# Altium PCB FMC_ADC_128CH_10B.PcbDoc (part 13 of 14)
Units mm, origin at the board's own origin, x right, y up, seen from the top; angles counter-clockwise.
Board outline 76.5 x 69 mm, 8 copper layers (Top Layer, Int1 (Sign), Int2 (GND), Int3 (Sign), Int4 (Sign), Int5 (GND), Int6 (Sign), Bottom Layer), stack 1.433 mm thick; 815 components, 661 nets, 3772 pads, 2072 vias.
Unrouted connection lines stored in the file: 135.
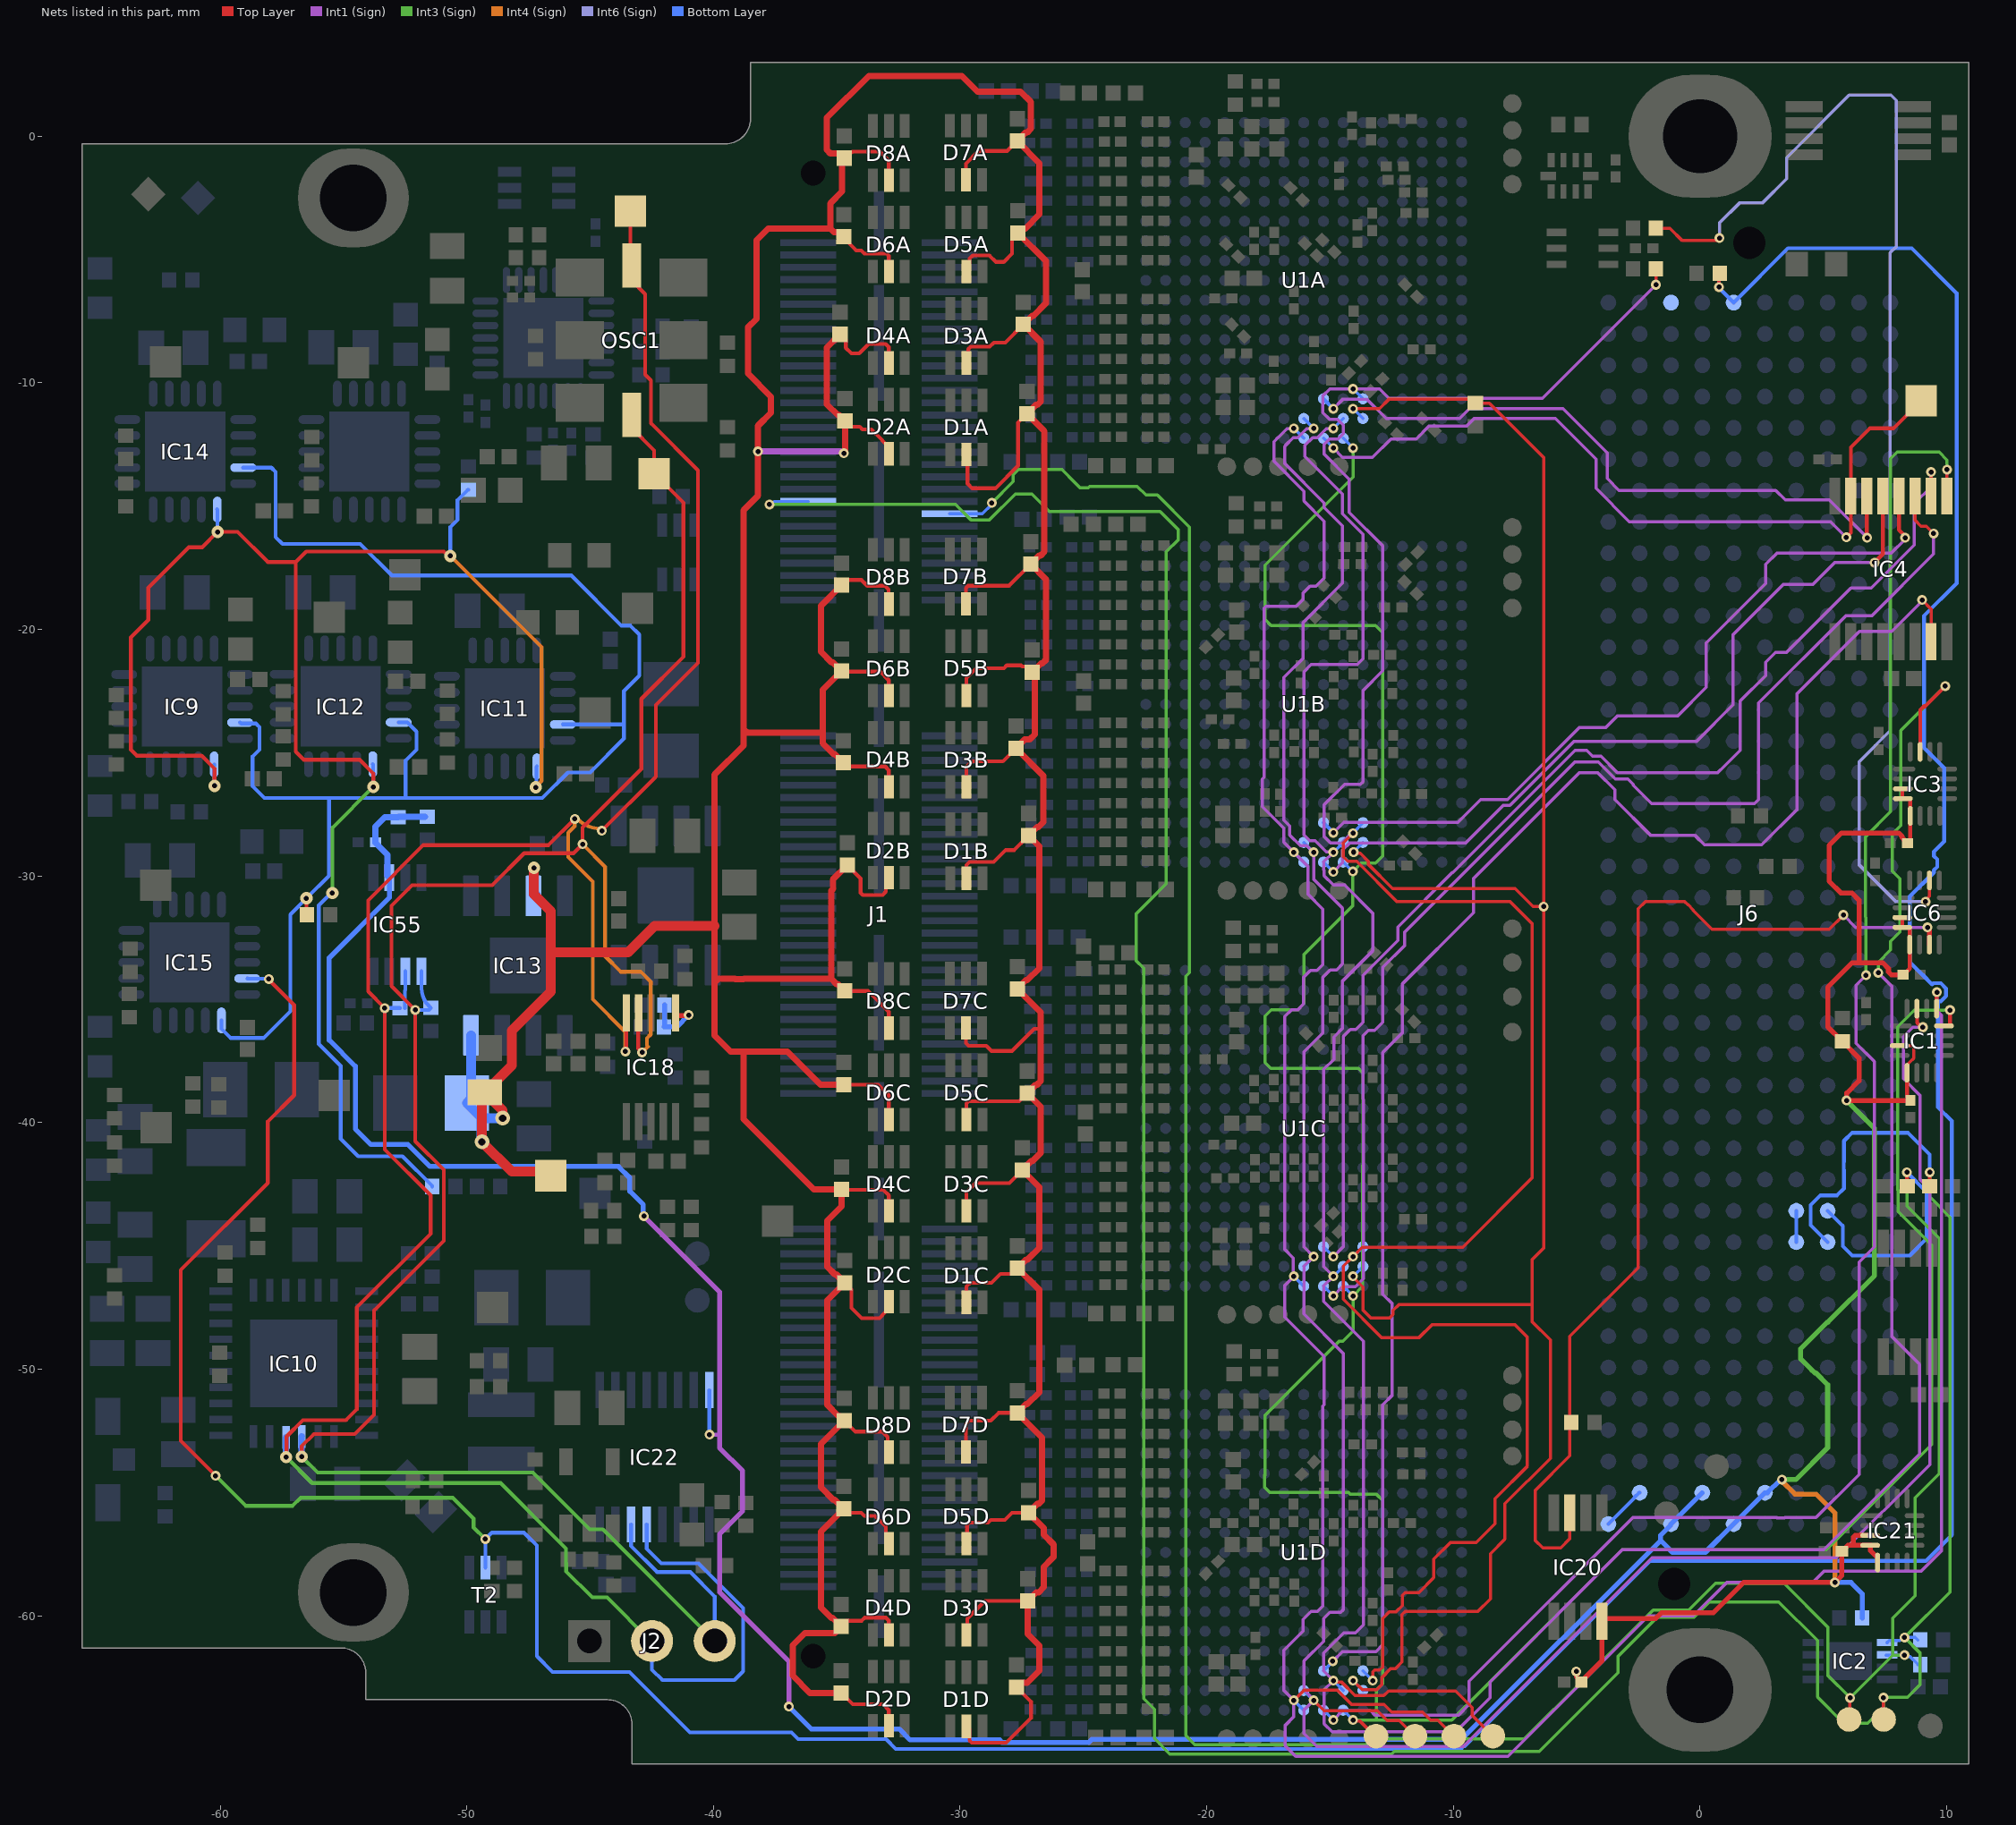
[diagram p19: the nets of this part, all layers, seen from the top]

## Via types
v1: diameter 0.4, hole 0.2, Top Layer to Bottom Layer, tented both sides, 1806 vias
v2: diameter 0.5, hole 0.2, Top Layer to Bottom Layer, tented both sides, 181 vias
v3: diameter 0.6, hole 0.3, Top Layer to Bottom Layer, tented both sides, 81 vias
v4: diameter 0.5, hole 0.3, Top Layer to Bottom Layer, tented both sides, 3 vias
v5: diameter 0.6, hole 0.2, Top Layer to Bottom Layer, tented both sides, 1 vias

## Nets (pads, with @x,y where several pads share a name; then routed paths per layer and width w, separated by ;. In a path a pad name is that pad's centre, name@x,y a point inside that pad or via, vN(x,y) a via of type N, cw(c..) or ccw(c..) an arc to the next point about the centre after c; other vN are vias at no path point) (continued)
PDN_GBL: R5.2 U1A.M16 U1B.M16 U1C.M16 U1D.M16 | length 85.1
  Top Layer w0.127: v1(-14.067,-62.625) -13.694,-62.999 -13.112,-62.999 -12.894,-62.78 -12.894,-62.493 -12.533,-62.133 -12.345,-62.133 -12.085,-61.873 -12.085,-59.949 -11.962,-59.826 -9.016,-59.826 -8.5,-59.311 -8.5,-57.48 -7.909,-56.889 -7.909,-55.451 -6.068,-53.61 -6.068,-48.815 -6.816,-48.067 -6.816,-47.384 ; v1(-14.067,-46.227) -14.067,-46.27 -13.663,-46.674 -13.663,-47.605 -13.339,-47.929 -12.592,-47.929 -12.445,-47.782 -12.445,-47.61 -12.22,-47.384 -6.816,-47.384 ; v1(-14.067,-11.045) -12.995,-11.045 -12.622,-10.672 R5.2@-8.974,-10.672 ; v1(-14.045,-29.028) -13.993,-29.08 -13.771,-29.08 -13.454,-29.398 -13.454,-29.519 -12.465,-30.508 -7.501,-30.508 -6.771,-31.238 v1(-6.345,-31.238) ; R5.2@-9.112,-10.823 -8.542,-10.823 -6.345,-13.02 v1(-6.345,-31.238) ; -6.816,-47.384 -6.816,-45.561 -6.345,-45.09 v1(-6.345,-31.238)
  Bottom Layer w0.127: v1(-14.067,-62.625) U1D.M16@-13.667,-63.025 ; v1(-14.067,-46.227) -14.066,-46.227 -13.669,-45.83 U1C.M16@-13.667,-45.83 ; v1(-14.067,-11.045) U1A.M16@-13.667,-11.445 ; v1(-14.045,-29.028) -14.045,-29.02 -13.667,-28.642 U1B.M16@-13.667,-28.634
PG_M2C: IC15.9 J6.f1 R138.2 T2.5 | length 172.4
  Top Layer w0.152: v1(-60.188,-54.315) -61.6,-52.903 -61.6,-45.976 -58.065,-42.441 -58.065,-39.953 -57,-38.888 -57,-35.237 -58.028,-34.209 v1(-58.028,-34.178) ; v1(0.769,-6.111) 0.769,-5.666 R138.2@0.833,-5.601
  Int3 (Sign) w0.152: v1(-60.188,-54.315) -58.968,-55.535 -57.062,-55.535 -56.739,-55.212 -50.571,-55.212 -49.723,-56.06 -49.723,-56.413 v1(-49.247,-56.889)
  Bottom Layer w0.152: IC15.9@-58.898,-34.153 -58.886,-34.166 -58.041,-34.166 v1(-58.028,-34.178) ; T2.5@-49.247,-58.042 v1(-49.247,-56.889) -48.983,-56.625 -47.679,-56.625 -47.161,-57.143 -47.161,-61.631 -46.52,-62.272 -43.401,-62.272 -40.952,-64.721 -36.842,-64.721 -36.563,-65 -33.001,-65 -32.607,-65.394 -9.694,-65.394 -9.586,-65.286 -9.54,-65.286 -2.022,-57.769 9.157,-57.769 10.205,-56.721 10.205,-39.931 9.641,-39.368 9.641,-35.078 9.757,-35.078 9.972,-34.863 9.972,-34.56 9.757,-34.345 9.454,-34.345 9.408,-34.391 9.007,-33.991 9.001,-33.991 8.503,-33.493 8.503,-30.831 9.482,-29.852 9.482,-29.761 9.616,-29.626 9.616,-29.323 9.482,-29.188 9.482,-29.015 9.9,-28.597 9.9,-25.614 9.079,-24.794 9.079,-19.451 10.408,-18.122 10.408,-6.367 8.583,-4.543 3.565,-4.543 J6.f1@1.363,-6.744 1.363,-6.743 0.769,-6.148 v1(0.769,-6.111)
PGOOD: IC9.9 IC11.9 IC12.9 IC14.9 IC15.11 R115.1 | length 64.5
  Top Layer w0.152: v2(-56.5,-30.902) -56.5,-31.538 R115.1@-56.476,-31.562
  Bottom Layer w0.152: IC15.11@-59.948,-35.853 -59.948,-36.192 -59.571,-36.569 -58.243,-36.569 -57.156,-35.482 -57.156,-31.558 v2(-56.5,-30.902) -55.58,-29.982 -55.58,-26.836 ; IC9.9@-59.191,-23.775 -59.153,-23.813 -58.552,-23.813 -58.475,-23.889 -58.408,-23.956 -58.408,-24.87 -58.683,-25.145 -58.683,-26.356 -58.203,-26.836 -55.58,-26.836 ; IC14.9@-59.064,-13.437 -57.925,-13.437 -57.748,-13.614 -57.748,-16.253 -57.471,-16.529 -54.319,-16.529 -53.039,-17.81 -45.759,-17.81 -43.725,-19.844 -43.364,-19.844 -43.004,-20.205 -43.004,-21.245 ; IC12.9@-52.761,-23.766 -52.411,-23.766 -52.039,-24.138 -52.039,-24.873 -52.478,-25.312 -52.478,-26.836 ; IC11.9@-46.11,-23.851 -43.645,-23.851 -43.63,-23.835 ; -43.004,-21.245 -43.004,-21.871 -43.63,-22.497 -43.63,-23.835 ; -55.58,-26.836 -52.478,-26.836 ; -52.478,-26.836 -46.936,-26.836 -45.896,-25.796 -45.001,-25.796 -43.63,-24.425 -43.63,-23.835
PGOOD_P1V2D: IC9.11 IC11.11 IC12.11 IC14.11 R100.1 R101.2 | length 74.6
  Top Layer w0.152: v2(-60.23,-26.34) -60.23,-25.638 -60.751,-25.117 -63.381,-25.117 -63.62,-24.878 -63.62,-20.32 -62.912,-19.612 -62.912,-18.307 -61.274,-16.668 -60.729,-16.668 v2(-60.103,-16.042) -59.291,-16.042 -58.066,-17.267 -56.934,-17.267 ; v2(-53.79,-26.382) -53.79,-25.833 -54.338,-25.285 -56.607,-25.285 -56.934,-24.957 -56.934,-17.267 ; v2(-50.665,-17.016) -50.754,-17.016 -50.928,-16.842 -56.51,-16.842 -56.934,-17.267
  Int3 (Sign) w0.152: v2(-55.45,-30.687) -55.45,-28.042 v2(-53.79,-26.382)
  Int4 (Sign) w0.152: v2(-50.665,-17.016) -46.964,-20.717 -46.964,-26.137 -47.202,-26.375 v2(-47.202,-26.4)
  Bottom Layer w0.152: IC9.11@-60.24,-25.477 -60.235,-25.482 -60.235,-26.334 v2(-60.23,-26.34) ; IC14.11@-60.124,-15.127 IC14.11@-60.114,-15.137 -60.114,-16.032 v2(-60.103,-16.042) ; v2@-55.474,-30.663 -56,-31.189 -56,-36.812 -55.111,-37.702 -55.111,-40.653 -54.402,-41.362 -52.609,-41.362 -51.405,-42.566 R100.1@-51.405,-42.586 ; IC12.11@-53.811,-25.466 -53.8,-25.477 -53.8,-26.372 v2(-53.79,-26.382) ; v2(-50.665,-17.016) -50.665,-15.844 -50.375,-15.554 -50.375,-14.749 -49.957,-14.332 R101.2@-49.937,-14.332 ; v2(-47.202,-26.4) -47.181,-26.379 -47.181,-25.57 IC11.11@-47.163,-25.552
RESET: B24.1 IC1.12 U1A.L17 U1B.L17 U1C.L17 U1D.L17 | length 122.9
  Top Layer w0.127: v1(-14.067,-64.225) -14.037,-64.255 -13.799,-64.255 B24.1@-13.138,-64.916
  Top Layer w0.152: IC1.12@9.891,-36.076 10.114,-36.076 10.136,-36.054 10.136,-35.436 v1(10.134,-35.434)
  Int3 (Sign) w0.127: -15.009,-19.838 -17.391,-19.838 -17.641,-19.589 -17.641,-19.279 -17.636,-19.274 -17.636,-18.794 -17.641,-18.789 -17.641,-17.39 -14.067,-13.816 v1(-14.067,-12.645) ; -15.009,-19.838 -14.699,-19.838 ; -14.699,-19.838 -13.157,-19.838 -12.863,-20.132 -12.863,-29.18 -13.153,-29.47 -13.731,-29.47 v1(-14.073,-29.811) -14.073,-31.2 -16.053,-33.181 -16.053,-35.166 -16.308,-35.421 -17.386,-35.421 -17.641,-35.675 -17.641,-37.562 -17.4,-37.803 -13.84,-37.803 -13.671,-37.972 -13.671,-41.723 -13.676,-41.728 -13.676,-46.635 v1(-14.07,-47.03) -14.07,-48.446 -14.482,-48.858 -14.635,-48.858 -17.641,-51.864 -17.641,-54.271 ; v1(-14.067,-64.225) -13.112,-64.225 ; v1(10.134,-35.434) 8.689,-35.434 8.017,-36.106 8.017,-42.727 8.025,-42.735 8.025,-43.604 9.387,-44.966 9.387,-53.051 5.121,-57.316 -3.156,-57.316 -10.066,-64.225 -13.112,-64.225 ; -17.663,-54.327 -17.663,-54.293 -17.641,-54.271 ; -17.663,-54.327 -17.641,-54.305 -17.641,-54.271 ; -17.663,-54.327 -17.663,-54.78 -17.444,-54.999 -14.244,-54.999 -14.169,-55.074 -13.112,-55.074 -12.871,-55.315 -12.871,-62.758 -13.112,-62.999 -13.112,-64.225
  Bottom Layer w0.127: U1D.L17@-14.467,-63.825 v1(-14.067,-64.225) ; U1C.L17@-14.467,-46.63 U1C.L17@-14.467,-46.63 v1(-14.07,-47.03) v1(-14.07,-47.03) ; U1A.L17@-14.467,-12.245 v1(-14.067,-12.645) ; U1B.L17@-14.459,-29.434 v1@-14.081,-29.811
SCL: B5.1 IC2.6 J1.45 J6.c30 R7.1 R114.2 | length 128.9
  Top Layer w0.127: B5.1@6.043,-64.2 6.064,-64.179 6.064,-63.343 v1(6.085,-63.322)
  Top Layer w0.152: v1(8.391,-42.013) 8.391,-42.569 R114.2@8.402,-42.58
  Int3 (Sign) w0.127: v1(-28.712,-14.864) -27.849,-14.001 -27.849,-13.735 -27.63,-13.516 -25.876,-13.516 -25.348,-14.045 -25.129,-14.263 -24.82,-14.263 -24.751,-14.195 -22.82,-14.195 -22.466,-14.548 -22,-14.548 -20.7,-15.848 -20.7,-33.911 -20.852,-34.064 -20.852,-64.851 -20.479,-65.224 -13.113,-65.224 -12.886,-64.997 -7.129,-64.997 -4.665,-62.534 -4.458,-62.327 -1.899,-59.768 -0.455,-59.768 0.633,-58.68 3.404,-58.68 5.173,-60.449 5.173,-62.409 v1(6.085,-63.322) 7.812,-61.595 ; v1(8.291,-61.595) 7.812,-61.595 ; v1(8.391,-42.013) 8.391,-43.381 9.7,-44.691 9.7,-54.229 8.722,-55.207 8.722,-59.186 7.812,-60.096 7.812,-61.595
  Bottom Layer w0.127: J1.45@-30.428,-15.31 -29.102,-15.31 -28.712,-14.919 v1(-28.712,-14.864) ; IC2.6@7.539,-61.595 v1(8.291,-61.595) 8.343,-61.647 8.513,-61.647 8.821,-61.956 R7.1@8.821,-61.976
  Bottom Layer w0.152: J6.c30@5.173,-43.574 5.785,-44.186 5.785,-45.005 6.166,-45.386 8.503,-45.386 9.189,-44.7 9.189,-42.811 v1(8.391,-42.013)
SCL_2V5: IC10.4 IC18.5 IC22.13 IC55.6 J2.2 OSC1.8 R1.1 TP2.1 | length 113.7
  Top Layer w0.152: v2(-57.326,-53.558) -57.305,-53.537 -57.305,-52.725 -56.643,-52.063 -54.897,-52.063 -54.462,-51.627 -54.462,-47.494 -51.464,-44.496 -51.464,-42.948 -53.326,-41.086 v1(-53.326,-35.353) -54,-34.679 -54,-30.984 -51.761,-28.745 -46.684,-28.745 v1(-45.623,-27.684) ; v1(-44.522,-28.163) -42.333,-25.974 -42.333,-23.059 -40.625,-21.351 -40.625,-13.547 -42.532,-11.64 -42.532,-9.899 -42.766,-9.665 -42.766,-6.402 -43.314,-5.854 OSC1.8@-43.314,-5.241 -43.364,-5.191 TP2.1@-43.364,-3.043 ; v1(-43.574,-37.11) -43.532,-37.069 IC18.5@-43.532,-35.553 IC18.5@-43.532,-34.899
  Int3 (Sign) w0.152: v2(-57.326,-53.558) -56.271,-54.613 -48.63,-54.613 -45.976,-57.268 -45.976,-57.86 -45.973,-57.863 -45.973,-58.193 -44.914,-59.252 -44.313,-59.252 -42.543,-61.022 J2.2@-42.491,-61.022
  Int4 (Sign) w0.152: v1(-44.522,-28.163) -44.553,-28.083 cw(c-44.553,-26.731) -45.542,-27.652 v1(-45.623,-27.684) -45.623,-27.98 -45.884,-28.241 -45.884,-29.233 -44.888,-30.229 -44.888,-35.001 -43.574,-36.315 v1(-43.574,-37.11)
  Bottom Layer w0.152: v1(-53.326,-35.353) -52.718,-35.353 R1.1@-52.708,-35.363 ; R1.1@-52.508,-35.363 -52.508,-34.642 -52.487,-34.621 IC55.6@-52.487,-33.863 ; IC22.13@-42.707,-56.293 -42.707,-57.272 -42.113,-57.867 -40.609,-57.867 -38.792,-59.684 -38.792,-62.251 -39.148,-62.607 -42.067,-62.607 -42.491,-62.183 J2.2@-42.491,-61.022
  Bottom Layer w0.254: v2(-57.326,-53.558) IC10.4@-57.327,-52.76
SCLK: B23.1 IC1.13 U1A.J17 U1B.J17 U1C.J17 U1D.J17 | length 124.1
  Top Layer w0.127: v1(-16.467,-63.425) -16.045,-63.003 -14.718,-63.003 -14.128,-63.592 -12.806,-63.592 -12.504,-63.895 -11.257,-63.895 -10.926,-64.225 -10.629,-64.225 B23.1@-9.979,-64.875
  Top Layer w0.152: IC1.13@9.591,-35.376 9.59,-34.727 v1(9.606,-34.712)
  Int1 (Sign) w0.127: v1@-16.471,-63.422 -16.872,-63.021 -16.872,-61.401 -16.094,-60.623 -16.094,-60.146 -15.769,-59.821 -15.512,-59.821 -15.294,-59.602 -15.294,-51.494 -15.241,-51.441 -15.241,-49.482 -16.841,-47.882 -16.841,-46.603 v1(-16.467,-46.23) -16.49,-46.207 -16.49,-45.487 -16.841,-45.136 -16.841,-35.697 -16.573,-35.43 -16.317,-35.43 -16.071,-35.184 -16.071,-34.106 -15.795,-33.83 -15.539,-33.83 -15.294,-33.584 -15.294,-31.335 -15.904,-30.724 -15.904,-29.597 v1(-16.467,-29.034) -16.872,-28.629 -16.872,-28.063 -17.742,-27.193 -17.742,-26.059 -17.671,-25.989 -17.671,-19.135 -17.597,-19.06 -16.366,-19.06 -16.092,-18.787 -16.092,-18.526 -15.813,-18.246 -15.573,-18.246 -15.241,-17.913 -15.241,-17.657 -15.239,-17.655 -15.239,-17.168 -15.241,-17.166 -15.241,-16.079 -15.239,-16.077 -15.239,-15.608 -16.059,-14.788 -16.059,-14.396 -17.278,-13.177 -17.278,-12.383 -17.1,-12.204 -17.098,-12.204 -16.879,-11.986 -16.879,-11.984 -16.753,-11.858 -16.48,-11.858 v1(-16.467,-11.845) ; v1(-16.467,-63.425) -16.467,-64.087 -16.814,-64.434 -16.814,-65.279 -16.393,-65.7 -7.79,-65.7 -2.093,-60.003 -0.272,-60.003 1.084,-58.648 4.566,-58.648 5.027,-58.187 8.966,-58.187 9.782,-57.37 9.782,-56.65 9.782,-56.357 9.782,-38.877 9.781,-38.876 9.781,-38.583 9.782,-38.582 9.782,-35.645 9.606,-35.469 v1(9.606,-34.712)
  Bottom Layer w0.127: v1(-16.467,-63.425) U1D.J17@-16.067,-63.825 ; v1(-16.467,-46.23) U1C.J17@-16.067,-46.63 ; v1(-16.467,-29.034) U1B.J17@-16.067,-29.434 ; v1(-16.467,-11.845) U1A.J17@-16.067,-12.245
SDA: B14.1 IC2.5 J1.44 J6.c31 R4.1 R113.2 | length 143.1
  Top Layer w0.127: v1(7.436,-63.318) 7.439,-63.322 7.439,-64.197 B14.1@7.443,-64.2
  Top Layer w0.152: R113.2@9.312,-42.58 v1(9.312,-42.014)
  Int3 (Sign) w0.127: v1(-37.731,-14.931) -30.182,-14.931 -29.562,-15.551 -28.809,-15.551 -27.763,-14.505 -27.09,-14.505 -26.375,-15.221 -21.892,-15.221 -21.148,-15.964 -21.148,-16.359 -21.642,-16.853 -21.642,-30.316 -22.87,-31.544 -22.87,-33.426 -22.554,-33.742 -22.554,-63.353 -22.12,-63.787 -22.12,-64.974 -21.494,-65.6 -12.5,-65.6 -12.4,-65.5 -6.523,-65.5 -3.328,-62.305 -3.328,-61.641 -1.739,-60.052 -0.246,-60.052 0.374,-59.432 3.192,-59.432 4.763,-61.003 4.763,-63.292 5.819,-64.348 6.8,-64.348 7.436,-63.712 v1(7.436,-63.318) 7.454,-63.3 8.406,-63.3 8.927,-62.78 8.927,-61.514 v1(8.291,-60.878) 10.136,-59.033 10.136,-43.833 9.312,-43.009 v1(9.312,-42.014)
  Bottom Layer w0.127: v1(-37.731,-14.931) -37.657,-14.931 -37.536,-14.81 J1.44@-36.158,-14.81 ; IC2.5@7.585,-61.08 7.672,-60.994 8.101,-60.994 8.217,-60.878 8.723,-60.878 R4.1@8.821,-60.976
  Bottom Layer w0.152: J6.c31@5.173,-44.844 4.482,-44.153 4.482,-43.344 4.878,-42.947 5.556,-42.947 5.836,-42.668 5.836,-41.915 5.822,-41.902 5.822,-41.598 5.836,-41.585 5.836,-40.738 6.166,-40.407 8.427,-40.407 9.312,-41.293 v1(9.312,-42.014) ; v1(7.436,-63.318) v1@7.439,-63.322
SDA_2V5: IC10.3 IC18.4 IC22.14 IC55.5 J2.3 OSC1.7 R2.1 TP1.1 | length 97.1
  Top Layer w0.152: v2(-56.692,-53.543) -56.692,-53.12 -56.198,-52.626 -54.546,-52.626 -53.762,-51.842 -53.762,-47.614 -50.935,-44.788 -50.935,-41.907 -52.086,-40.756 v1@-52.086,-35.431 ; v1(-52.088,-35.429) -53.055,-34.462 -53.055,-31.201 -52.222,-30.368 -48.965,-30.368 -47.673,-29.076 -45.672,-29.076 v1(-45.306,-28.709) -45.306,-28.028 -45.229,-27.951 -45.224,-27.951 -42.923,-25.65 -42.923,-22.814 -41.215,-21.107 -41.215,-14.862 TP1.1@-42.4,-13.677 -42.4,-12.736 -43.314,-11.823 OSC1.7@-43.314,-11.291 ; IC18.4@-43.032,-35.553 -43.05,-35.571 -43.05,-36.989 v1(-42.889,-37.151)
  Int3 (Sign) w0.152: v2(-56.692,-53.543) -56.045,-54.19 -47.318,-54.19 -45.018,-56.491 -44.481,-56.491 J2.3@-39.951,-61.022
  Int4 (Sign) w0.152: v1(-45.306,-28.709) -45.243,-28.709 v1@-45.229,-28.695 ; v1@-45.275,-28.74 -44.391,-29.624 -44.391,-33.246 -43.759,-33.878 -42.953,-33.878 -42.54,-34.291 -42.54,-36.42 -42.692,-36.573 -42.692,-36.876 -42.653,-36.915 v1(-42.889,-37.151)
  Bottom Layer w0.152: v1(-52.088,-35.429) -51.532,-35.429 R2.1@-51.451,-35.348 -51.541,-35.258 cw(c-50.827,-34.544) -51.837,-34.544 IC55.5@-51.837,-33.863 ; IC22.14@-43.342,-56.293 -43.342,-57.166 -42.285,-58.224 -40.935,-58.224 -39.951,-59.209 J2.3@-39.951,-61.022
  Bottom Layer w0.254: v2(-56.692,-53.543) -56.691,-53.542 -56.691,-52.724 IC10.3@-56.689,-52.723
SDIN: B25.1 IC3.15 U1A.L16 U1B.L16 U1C.L16 U1D.L16 | length 137.1
  Top Layer w0.127: v1(-14.867,-62.625) -14.815,-62.678 -14.543,-62.678 -13.985,-63.236 -12.821,-63.236 -12.637,-63.052 -9.912,-63.052 -9.24,-63.725 -9.24,-64.035 B25.1@-8.4,-64.875
  Top Layer w0.152: IC3.15@8.923,-24.96 8.923,-23.264 9.085,-23.102 ; 9.085,-23.154 v1@9.94,-22.299
  Int1 (Sign) w0.127: v1(-14.867,-11.845) -14.88,-11.858 -15.152,-11.858 -15.512,-12.219 -15.704,-12.219 -16.019,-12.534 -16.019,-12.984 -14.494,-14.509 -14.494,-15.309 -13.663,-16.14 -13.663,-21.18 -13.906,-21.423 -15.762,-21.423 -16.059,-21.72 -16.059,-28.325 -15.855,-28.53 -15.822,-28.563 -15.61,-28.563 -15.294,-28.879 -15.152,-29.021 -14.88,-29.021 v1(-14.867,-29.034) -15.254,-29.421 -15.254,-29.748 -15.241,-29.762 -15.241,-29.989 -14.863,-30.366 -14.413,-30.366 -13.258,-31.521 -13.258,-33.018 -14.492,-34.251 -14.492,-36.173 -14.845,-36.526 -14.845,-37.43 -15.254,-37.839 -15.254,-45.84 v1(-14.867,-46.227) -15.254,-46.614 -15.254,-47.249 -13.641,-48.862 -13.641,-60.361 -13.968,-60.688 -14.45,-60.688 -15.263,-61.501 -15.263,-62.23 v1(-14.867,-62.625) -15.241,-62.999 -15.241,-64.38 -14.921,-64.7 -9.9,-64.7 -8.518,-63.318 -8.518,-62.684 -3.155,-57.321 5.018,-57.321 8.904,-53.435 8.904,-49.798 7.767,-48.661 7.767,-34.457 7.385,-34.075 7.382,-34.075 v1(7.23,-33.923)
  Int3 (Sign) w0.127: v1(7.23,-33.923) 7.23,-33.494 7.728,-32.997 7.728,-32.642 8.101,-32.268 8.101,-30.104 7.791,-29.794 7.791,-28.305 8.141,-27.955 8.141,-24.096 v1(9.939,-22.298)
  Bottom Layer w0.127: v1(-14.867,-62.625) U1D.L16@-14.467,-63.025 ; v1(-14.867,-46.227) -14.866,-46.227 -14.469,-45.83 U1C.L16@-14.467,-45.83 ; v1(-14.867,-29.034) U1B.L16@-14.467,-28.634 ; v1(-14.867,-11.845) U1A.L16@-14.467,-11.445
SDOUT: B22.1 IC1.15 U1A.J16 U1B.J16 U1C.J16 U1D.J16 | length 116.7
  Top Layer w0.127: v1(-15.667,-63.425) -15.241,-63.852 -13.083,-63.852 -12.691,-64.244 -12.19,-64.244 B22.1@-11.559,-64.875
  Top Layer w0.152: IC1.15@8.791,-35.376 8.8,-35.385 8.8,-35.949 8.98,-36.129 v1(9.033,-36.129)
  Int1 (Sign) w0.127: v1(-15.667,-11.845) -15.68,-11.858 -15.952,-11.858 -16.312,-12.219 -16.489,-12.219 -16.812,-12.542 -16.812,-12.548 -16.841,-12.577 -16.841,-13.268 -15.241,-14.868 -15.241,-15.052 -14.494,-15.799 -14.494,-18.12 -16.087,-19.714 -16.087,-21.16 -16.872,-21.944 -16.872,-22.479 -16.871,-25.189 -16.872,-27.728 -16.635,-27.965 -16.635,-28.338 -16.206,-28.767 -15.953,-28.767 -15.686,-29.034 v1(-15.667,-29.034) -15.667,-30.124 -14.494,-31.298 -14.494,-33.562 -14.739,-33.807 -14.995,-33.807 -15.294,-34.106 -15.294,-36.359 -16.059,-37.125 -16.059,-45.038 v1(-15.667,-45.43) -16.059,-45.821 -16.059,-47.761 -14.471,-49.348 -14.471,-59.755 -14.575,-59.859 -15.007,-59.859 -15.263,-60.115 -15.263,-61.029 -16.059,-61.825 -16.059,-63 -15.667,-63.392 v1(-15.667,-63.425) -16.059,-63.817 -16.059,-64.773 -15.532,-65.3 -9.6,-65.3 -1.948,-57.648 5.527,-57.648 9.312,-53.864 9.312,-42.69 8.927,-42.304 8.927,-38.9 8.249,-38.223 8.249,-36.513 8.632,-36.129 v1(9.033,-36.129)
  Bottom Layer w0.127: U1D.J16@-16.067,-63.025 v1(-15.667,-63.425) ; U1C.J16@-16.067,-45.83 v1(-15.667,-45.43) ; U1B.J16@-16.067,-28.634 v1(-15.667,-29.034) ; U1A.J16@-16.067,-11.445 v1(-15.667,-11.845)
SENEA: IC4.15 TP6.1 U1A.K17 | length 32.6
  Top Layer w0.152: v1(5.927,-16.265) 6.113,-16.079 IC4.15@6.113,-14.589 6.113,-12.615 6.884,-11.845 7.841,-11.845 TP6.1@8.958,-10.727 ; TP6.1@8.964,-10.857 TP6.1@9.221,-10.6
  Int1 (Sign) w0.127: v1(-14.867,-12.645) -14.494,-13.019 -13.277,-13.019 -12.53,-12.272 -11.508,-12.272 -10.996,-11.76 -9.474,-11.76 -9.158,-11.444 -5.865,-11.444 -4.22,-13.089 -4.22,-14.277 -2.87,-15.628 5.289,-15.628 v1(5.927,-16.265)
  Bottom Layer w0.127: U1A.K17@-15.267,-12.245 v1(-14.867,-12.645)
SENEB: IC4.13 U1B.K17 | length 32.5
  Top Layer w0.152: v1(7.07,-17.284) 7.413,-16.941 IC4.13@7.413,-14.589
  Int1 (Sign) w0.127: v1(-14.867,-29.834) -14.494,-29.46 -14.494,-28.949 -14.193,-28.648 -9.496,-28.648 -7.978,-27.13 -7.707,-27.13 -5.108,-24.531 -0.132,-24.531 1.343,-23.056 1.343,-20.212 3.374,-18.181 4.565,-18.181 5.462,-17.284 v1(7.07,-17.284)
  Bottom Layer w0.127: U1B.K17@-15.267,-29.434 v1(-14.867,-29.834)
SENEC: IC4.11 U1C.K17 | length 51.3
  Top Layer w0.127: IC4.11@8.713,-14.589 8.713,-15.568 8.957,-15.812 9.17,-15.812 v1(9.466,-16.107)
  Int1 (Sign) w0.127: v1(-14.867,-47.03) -14.494,-46.656 -13.968,-46.656 -13.641,-46.329 -13.641,-39.06 -13.663,-39.038 -13.663,-36.475 -13.444,-36.256 -13.188,-36.256 -12.863,-35.931 -12.863,-33.702 -11.986,-32.825 -11.986,-32.289 -5.076,-25.378 -4.117,-25.378 -3.432,-26.064 -2.925,-26.064 -2.706,-26.283 -2.706,-26.316 -1.964,-27.058 2.209,-27.058 2.374,-26.893 2.374,-22.982 5.905,-19.451 6.954,-19.451 9.466,-16.94 v1(9.466,-16.107)
  Bottom Layer w0.127: U1C.K17@-15.267,-46.63 v1(-14.867,-47.03)
SENED: IC4.9 U1D.K17 | length 73.1
  Top Layer w0.127: IC4.9@10.013,-14.589 v1(10.013,-13.512)
  Int1 (Sign) w0.127: v1(-14.867,-64.225) -14.494,-63.852 -13.349,-63.852 -13.165,-64.036 -9.804,-64.036 -9.36,-63.592 -9.36,-62.651 -2.72,-56.01 3.105,-56.01 3.116,-56.021 3.425,-56.021 3.436,-56.01 4.701,-56.01 6.446,-54.266 6.446,-45.658 7.07,-45.034 7.07,-37.519 6.329,-36.778 6.329,-34.424 v1(6.73,-34.024)
  Int3 (Sign) w0.127: v1(6.73,-34.024) 6.73,-31.679 6.707,-31.656 6.707,-28.412 7.728,-27.391 7.728,-13.08 8,-12.808 9.697,-12.808 10.013,-13.124 v1(10.013,-13.512)
  Bottom Layer w0.127: U1D.K17@-15.267,-63.825 v1(-14.867,-64.225)
SENOA: IC4.14 U1A.K15 | length 27.3
  Top Layer w0.152: IC4.14@6.763,-14.589 6.763,-16.265 v1(6.776,-16.277)
  Int1 (Sign) w0.127: v1(-14.865,-11.047) -14.49,-10.672 -13.496,-10.672 -12.723,-11.444 -9.741,-11.444 -9.341,-11.045 -5.561,-11.045 -3.764,-12.843 -3.764,-13.876 -3.282,-14.358 3.067,-14.358 3.454,-14.744 5.242,-14.744 v1(6.776,-16.277)
  Bottom Layer w0.152: U1A.K15@-15.267,-10.645 v1(-14.865,-11.047)
SENOB: IC4.12 U1B.K15 | length 32.1
  Top Layer w0.152: IC4.12@8.063,-14.589 8.063,-15.959 8.315,-16.21 v1(8.315,-16.277)
  Int1 (Sign) w0.127: v1(-14.865,-28.241) -14.444,-27.82 -14.232,-27.82 -14.222,-27.83 -12.312,-27.83 -12.303,-27.82 -9.823,-27.82 -8.896,-26.893 -7.805,-26.893 -4.882,-23.97 -3.816,-23.97 -3.36,-23.513 -0.918,-23.513 0.249,-22.346 0.249,-20.55 2.659,-18.14 2.659,-17.363 3.111,-16.911 7.742,-16.911 8.315,-16.337 v1(8.315,-16.277)